# Altium PCB ebox-SPARK-丝印图.PcbDoc (part 2 of 2)
Units mm, origin at the board's own origin, x right, y up, seen from the top; angles counter-clockwise.
Board outline 50.25 x 80.28 mm, 2 copper layers (Top Layer, Bottom Layer); 69 components, 68 nets, 309 pads, 73 vias.
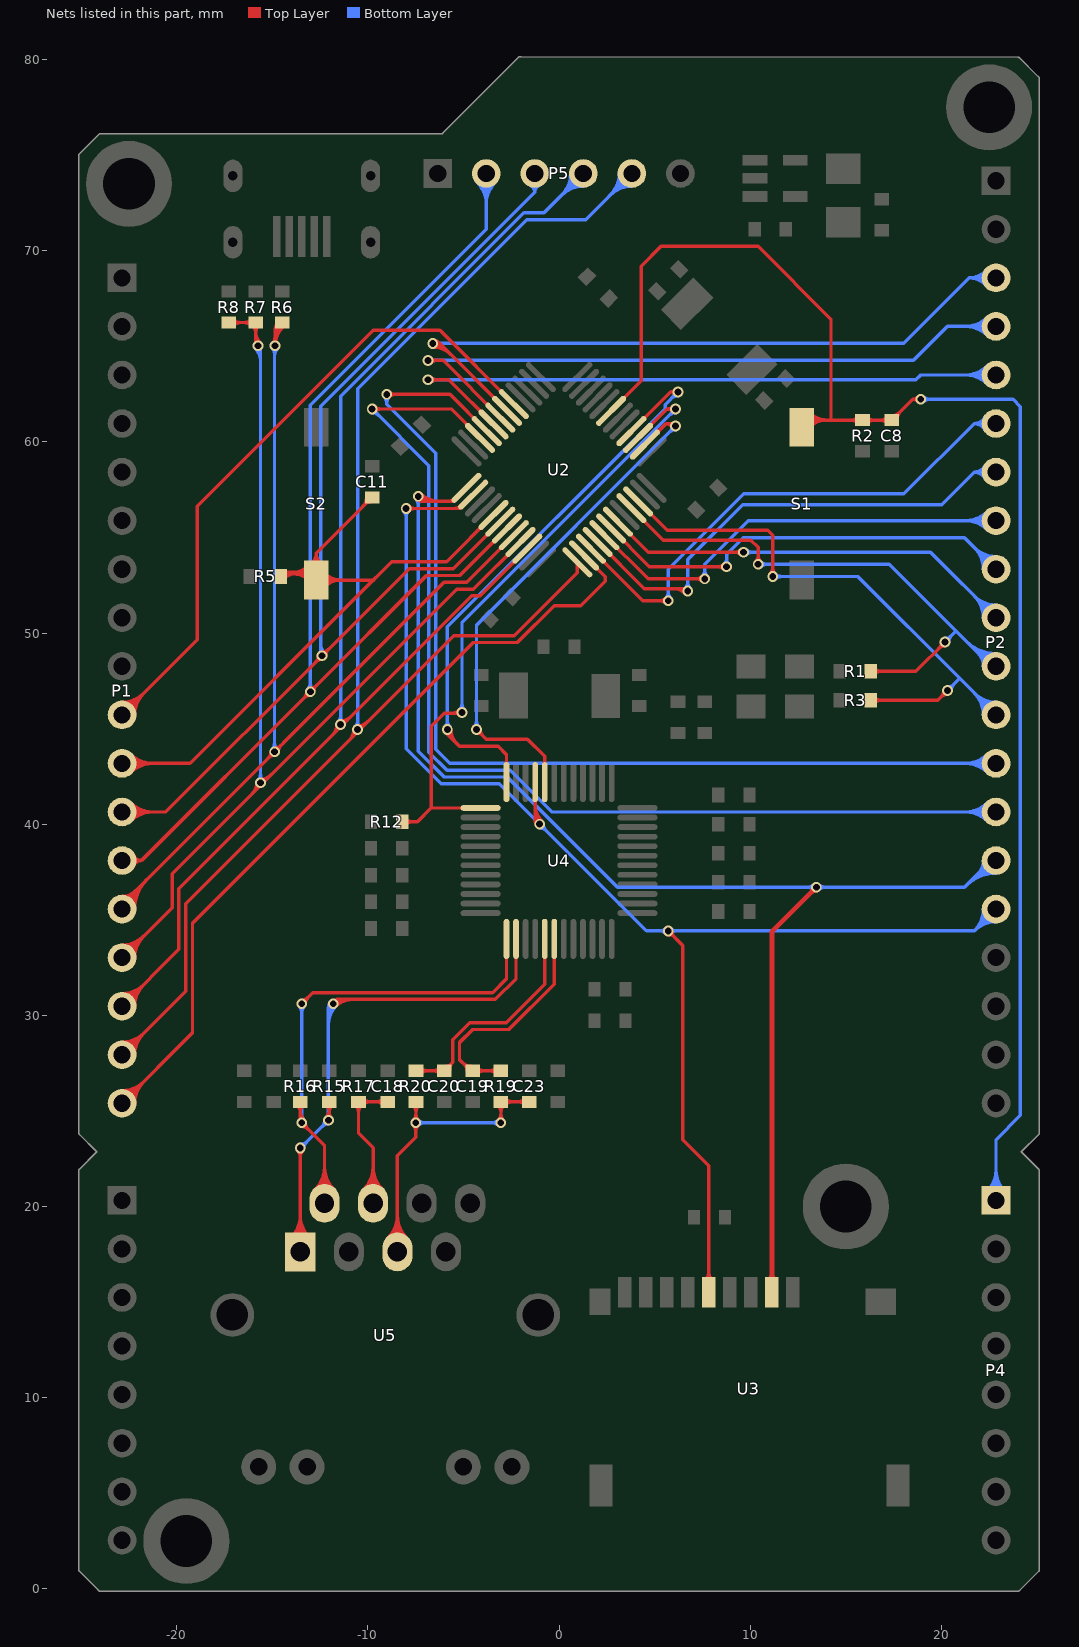
[diagram p2: the nets of this part, all layers, seen from the top]

## Via types
v1: diameter 0.559, hole 0.356, Top Layer to Bottom Layer, tented both sides, 70 vias
v2: diameter 1, hole 1, Top Layer to Bottom Layer, tented both sides, 2 vias
v3: diameter 1.27, hole 0.711, Top Layer to Bottom Layer, tented both sides, 1 vias

## Nets (pads, with @x,y where several pads share a name; then routed paths per layer and width w, separated by ;. In a path a pad name is that pad's centre, name@x,y a point inside that pad or via, vN(x,y) a via of type N, cw(c..) or ccw(c..) an arc to the next point about the centre after c; other vN are vias at no path point) (continued)
PA7: P1.10 U2.17 | length 38.9
  Top Layer w0.178: P1.10@-22.86,45.72 -18.923,49.657 -18.923,56.642 -9.728,65.837 -6.229,65.837 U2.17@-2.369,61.976 ; P1.10@-22.86,46.203 ccw(c-22.86,47.37) -22.035,46.545 ccw(c-21.21,45.72) P1.10@-22.377,45.72 ; P1.10@-22.86,46.381 ccw(c-22.86,47.977) -21.731,46.849 ccw(c-20.603,45.72) P1.10@-22.199,45.72
PA8: C11.2 P1.11 R5.2 S2.1 U2.29 | length 48.7
  Top Layer w0.178: P1.11@-22.86,43.18 -19.304,43.18 -10.36,52.124 -8.763,53.721 -5.887,53.721 U2.29@-3.429,56.178 ; P1.11@-22.518,42.838 cw(c-21.693,42.013) -21.693,43.18 cw(c-21.693,44.347) P1.11@-22.518,43.522 ; P1.11@-22.393,42.713 cw(c-21.264,41.584) -21.264,43.18 cw(c-21.264,44.776) P1.11@-22.393,43.647 ; S2.1@-13.006,53.602 ccw(c-13.395,54.178) -12.7,54.178 ; S2.1@-12.906,53.455 ccw(c-13.169,53.843) -12.7,53.843 ccw(c-12.231,53.843) S2.1@-12.494,53.455 ; S2.1@-12.44,52.509 cw(c-11.811,51.88) -11.811,52.769 cw(c-11.811,53.658) S2.1@-12.44,53.029 ; S2.1@-12.394,53.602 cw(c-12.005,54.178) -12.7,54.178 ; S2.1@-12.314,52.383 cw(c-11.382,51.451) -11.382,52.769 cw(c-11.382,54.087) S2.1@-12.314,53.155 ; -10.278,56.601 ccw(c-10.776,57.099) C11.2@-10.071,57.099 ; -10.124,56.754 cw(c-9.843,56.472) C11.2@-9.843,56.871 ; C11.2@-9.779,57.099 -12.7,54.178 ; -9.692,52.769 S2.1@-12.7,52.769 -12.7,54.178
  Top Layer w0.254: R5.2@-14.419,52.888 cw(c-13.818,52.287) -13.818,53.137 ; R5.2@-14.351,53.137 S2.1@-13.068,53.137 ; -13.958,53.137 ccw(c-13.958,54.408) S2.1@-13.059,53.509 ; -13.895,53.137 cw(c-13.895,51.955) S2.1@-13.059,52.791 ; -13.345,53.137 ccw(c-13.345,53.795) S2.1@-12.88,53.33
PA9: P1.12 P5.3 U2.30 | length 63.7
  Top Layer w0.178: P1.12@-22.86,40.64 -20.574,40.64 v1(-12.398,48.816) -7.849,53.365 -5.535,53.365 U2.30@-3.076,55.825 ; P1.12@-22.518,40.298 cw(c-21.693,39.473) -21.693,40.64 cw(c-21.693,41.807) P1.12@-22.518,40.982 ; P1.12@-22.393,40.173 cw(c-21.264,39.044) -21.264,40.64 cw(c-21.264,42.236) P1.12@-22.393,41.107 ; v1@-12.588,48.816 cw(c-13.048,48.816) -12.723,48.491 cw(c-12.398,48.166) v1@-12.398,48.626 ; v1@-12.398,49.007 ccw(c-12.398,49.467) -12.072,49.142 ccw(c-11.747,48.816) v1@-12.207,48.816
  Bottom Layer w0.178: v1@-12.532,48.951 ccw(c-12.697,49.116) -12.464,49.116 ; -12.464,49.437 ccw(c-11.777,49.437) v1@-12.263,48.951 ; v1(-12.398,48.816) -12.464,48.883 -12.464,61.859 -1.27,73.053 ; P5.3@-1.522,73.43 cw(c-1.678,73.053) -1.27,73.053 ; P5.3@-1.27,74.041 -1.27,73.053 ; P5.3@-1.27,74.422 P5.3@-1.079,74.612 ; P5.3@-1.018,73.43 ccw(c-0.862,73.053) -1.27,73.053
PA10: P1.13 P5.2 U2.31 | length 65.8
  Top Layer w0.178: P1.13@-22.86,38.1 -21.844,38.1 ; P1.13@-22.256,37.832 cw(c-21.844,37.65) -21.844,38.1 ; P1.13@-22.256,38.368 ccw(c-21.844,38.55) -21.844,38.1 ; v1@-13.201,46.934 cw(c-13.66,46.934) -13.335,46.609 cw(c-13.01,46.284) v1@-13.01,46.743 ; v1@-13.01,47.124 ccw(c-13.01,47.584) -12.685,47.259 ccw(c-12.36,46.934) v1@-12.82,46.934 ; U2.31@-2.722,55.471 -5.184,53.01 -6.934,53.01 v1(-13.01,46.934) -21.844,38.1
  Bottom Layer w0.178: v1@-13.145,47.069 ccw(c-13.47,47.394) -13.01,47.394 ccw(c-12.55,47.394) v1@-12.875,47.069 ; v1(-13.01,46.934) -13.01,61.92 -3.81,71.12 P5.2@-3.81,74.041 ; P5.2@-4.277,73.574 cw(c-5.406,72.445) -3.81,72.445 cw(c-2.214,72.445) P5.2@-3.343,73.574 ; P5.2@-4.152,73.699 cw(c-4.977,72.874) -3.81,72.874 cw(c-2.643,72.874) P5.2@-3.468,73.699
PA11: P1.14 R6.1 U2.32 | length 64.4
  Top Layer w0.178: P1.14@-22.86,35.56 -22.86,35.814 -6.02,52.654 -4.832,52.654 U2.32@-2.369,55.118 ; P1.14@-22.86,36.043 ccw(c-22.86,36.597) -22.469,36.205 ; P1.14@-22.86,36.221 ccw(c-22.86,37.204) -22.165,36.509 ; P1.14@-22.732,35.56 cw(c-21.811,35.56) -22.462,36.212 ; P1.14@-22.555,35.56 cw(c-21.204,35.56) -22.159,36.515 ; P1.14@-22.377,35.56 cw(c-20.597,35.56) -21.855,36.819 ; P1.14@-22.199,35.56 cw(c-19.99,35.56) -21.552,37.122 ; v1@-15.071,43.793 cw(c-15.531,43.793) -15.206,43.468 cw(c-14.881,43.143) v1@-14.881,43.603 ; v1@-14.994,65.159 ccw(c-15.319,65.484) -14.859,65.484 ccw(c-14.399,65.484) v1@-14.724,65.159 ; v1@-14.881,43.984 ccw(c-14.881,44.444) -14.555,44.119 ccw(c-14.23,43.793) v1@-14.69,43.793 ; v1@-14.859,64.983 cw(c-13.361,64.983) R6.1@-14.385,66.076 ; v1(-14.859,65.024) -14.859,65.862 R6.1@-14.478,66.243 ; -14.859,65.394 cw(c-13.746,65.394) R6.1@-14.507,66.206 ; -14.859,65.804 cw(c-14.13,65.804) R6.1@-14.628,66.336 ; -14.827,65.894 ccw(c-15.023,66.09) R6.1@-14.759,66.174 ; -14.823,65.898 cw(c-14.542,65.616) R6.1@-14.542,66.015
  Bottom Layer w0.178: v1@-15.015,43.928 ccw(c-15.331,44.244) -14.884,44.244 ; v1@-14.994,64.889 cw(c-15.258,64.625) -14.884,64.625 ; -14.884,44.263 ccw(c-14.411,44.263) v1@-14.746,43.928 ; -14.884,64.503 cw(c-14.338,64.503) v1@-14.724,64.889 ; v1(-14.881,43.793) -14.884,43.797 -14.884,64.999 v1(-14.859,65.024)
PA12: P1.15 R7.1 R8.1 U2.33 | length 67.5
  Top Layer w0.178: P1.15@-22.86,33.02 -20.244,35.636 -20.244,37.414 -5.359,52.299 -4.481,52.299 U2.33@-2.015,54.764 ; P1.15@-22.86,33.503 ccw(c-22.86,34.67) -22.035,33.845 ccw(c-21.21,33.02) P1.15@-22.377,33.02 ; P1.15@-22.86,33.681 ccw(c-22.86,35.277) -21.731,34.149 ccw(c-20.603,33.02) P1.15@-22.199,33.02 ; R8.1@-17.272,66.243 R7.1@-15.875,66.243 -15.875,65.151 v1(-15.748,65.024) ; R8.1@-17.047,66.082 cw(c-16.657,65.691) -16.657,66.243 cw(c-16.657,66.795) R8.1@-17.047,66.405 ; R7.1@-16.1,66.082 ccw(c-16.49,65.691) -16.49,66.243 ccw(c-16.49,66.795) R7.1@-16.1,66.405 ; -16.036,41.622 ccw(c-16.578,42.164) v1@-15.811,42.164 ; R7.1@-16.037,66.082 cw(c-16.427,65.691) -15.875,65.691 cw(c-15.323,65.691) R7.1@-15.713,66.082 ; -15.875,65.361 ccw(c-15.411,65.361) v1@-15.739,65.033 ; -15.875,65.791 ccw(c-14.981,65.791) v1@-15.613,65.159 ; v1@-15.621,42.355 ccw(c-15.621,43.121) -15.079,42.579
  Bottom Layer w0.178: v1@-15.883,64.889 cw(c-16.515,64.257) -15.621,64.257 ; v1@-15.757,65.015 cw(c-16.085,64.687) -15.621,64.687 ; v1@-15.756,42.299 ccw(c-16.081,42.624) -15.621,42.624 ccw(c-15.161,42.624) v1@-15.486,42.299 ; v1(-15.748,65.024) -15.621,64.897 v1(-15.621,42.164)
PA13: P1.16 P5.4 U2.34 | length 78.3
  Top Layer w0.178: P1.16@-22.86,30.48 -19.888,33.452 -19.888,36.627 -4.572,51.943 -4.129,51.943 U2.34@-1.662,54.41 ; P1.16@-22.86,30.963 ccw(c-22.86,32.13) -22.035,31.305 ccw(c-21.21,30.48) P1.16@-22.377,30.48 ; P1.16@-22.86,31.141 ccw(c-22.86,32.737) -21.731,31.609 ccw(c-20.603,30.48) P1.16@-22.199,30.48 ; -11.845,44.67 ccw(c-12.387,45.212) v1@-11.62,45.212 ; v1@-11.43,45.402 ccw(c-11.43,46.169) -10.888,45.627
  Bottom Layer w0.178: v1@-11.565,45.347 ccw(c-11.89,45.672) -11.43,45.672 ccw(c-10.97,45.672) v1@-11.295,45.347 ; v1(-11.43,45.212) -11.43,62.39 -1.836,71.984 -0.787,71.984 P5.4@1.27,74.041 ; P5.4@0.609,74.041 cw(c-0.987,74.041) 0.141,72.912 cw(c1.27,71.784) P5.4@1.27,73.38 ; P5.4@0.787,74.041 cw(c-0.38,74.041) 0.445,73.216 cw(c1.27,72.391) P5.4@1.27,73.558
PA14: P1.17 P5.5 U2.37 | length 84.9
  Top Layer w0.178: P1.17@-22.86,27.94 -19.533,31.267 -19.533,35.839 -5.512,49.86 -2.337,49.86 0.955,53.152 U2.37@0.955,53.703 ; P1.17@-22.86,28.423 ccw(c-22.86,29.59) -22.035,28.765 ccw(c-21.21,27.94) P1.17@-22.377,27.94 ; P1.17@-22.86,28.601 ccw(c-22.86,30.197) -21.731,29.069 ccw(c-20.603,27.94) P1.17@-22.199,27.94 ; -10.956,44.416 ccw(c-11.498,44.958) v1@-10.731,44.958 ; v1@-10.541,45.148 ccw(c-10.541,45.915) -9.999,45.373
  Bottom Layer w0.178: v1@-10.676,45.093 ccw(c-11.001,45.418) -10.541,45.418 ccw(c-10.081,45.418) v1@-10.406,45.093 ; v1(-10.541,44.958) -10.541,62.776 -1.689,71.628 1.397,71.628 P5.5@3.81,74.041 ; P5.5@3.149,74.041 cw(c1.553,74.041) 2.681,72.912 cw(c3.81,71.784) P5.5@3.81,73.38 ; P5.5@3.327,74.041 cw(c2.16,74.041) 2.985,73.216 cw(c3.81,72.391) P5.5@3.81,73.558
PA15: P1.18 U2.38 | length 46.1
  Top Layer w0.178: P1.18@-22.86,25.4 -19.177,29.083 -19.177,34.808 -4.481,49.505 -2.184,49.505 -0.254,51.435 1.143,51.435 2.413,52.705 2.413,52.952 U2.38@1.308,54.057 ; P1.18@-22.86,25.883 ccw(c-22.86,27.05) -22.035,26.225 ccw(c-21.21,25.4) P1.18@-22.377,25.4 ; P1.18@-22.86,26.061 ccw(c-22.86,27.657) -21.731,26.529 ccw(c-20.603,25.4) P1.18@-22.199,25.4
PB0: P2.3 U2.18 | length 42.5
  Top Layer w0.178: v1@-6.604,64.96 cw(c-6.604,63.647) -5.675,64.576 ; v1@-6.604,65.138 cw(c-6.604,64.254) -5.979,64.879 ; v1(-6.604,65.151) -6.25,65.151 U2.18@-2.722,61.623 ; v1@-6.604,65.316 cw(c-6.604,64.861) -6.282,65.183
  Bottom Layer w0.178: v1(-6.604,65.151) 18.034,65.151 21.463,68.58 ; v1@-6.469,65.016 cw(c-6.144,64.691) -6.144,65.151 cw(c-6.144,65.611) v1@-6.469,65.286 ; P2.3@22.349,68.161 ccw(c21.463,67.435) 21.463,68.58 ; P2.3@22.349,68.999 cw(c21.463,69.725) 21.463,68.58 ; P2.3@22.486,68.274 ccw(c21.839,67.743) 21.839,68.58 ccw(c21.839,69.417) P2.3@22.486,68.886 ; P2.3@22.86,68.58 21.463,68.58
PB1: P2.4 U2.19 | length 41.3
  Top Layer w0.178: v1(-6.858,64.262) -6.069,64.262 U2.19@-3.076,61.269 ; v1@-6.723,64.127 cw(c-6.398,63.802) -6.398,64.262 cw(c-6.398,64.722) v1@-6.723,64.397
  Bottom Layer w0.178: v1(-6.858,64.262) 18.542,64.262 20.32,66.04 P2.4@22.86,66.04 ; v1@-6.723,64.127 cw(c-6.398,63.802) -6.398,64.262 cw(c-6.398,64.722) v1@-6.723,64.397 ; P2.4@22.393,65.573 ccw(c21.264,64.444) 21.264,66.04 ccw(c21.264,67.636) P2.4@22.393,66.507 ; P2.4@22.518,65.698 ccw(c21.693,64.873) 21.693,66.04 ccw(c21.693,67.207) P2.4@22.518,66.382
PB2: P2.5 U2.20 | length 40
  Top Layer w0.178: v1(-6.858,63.246) -5.76,63.246 U2.20@-3.429,60.916 ; v1@-6.723,63.111 cw(c-6.398,62.786) -6.398,63.246 cw(c-6.398,63.706) v1@-6.723,63.381
  Bottom Layer w0.178: v1(-6.858,63.246) 18.669,63.246 18.923,63.5 P2.5@22.86,63.5 ; v1@-6.723,63.111 cw(c-6.398,62.786) -6.398,63.246 cw(c-6.398,63.706) v1@-6.723,63.381 ; P2.5@22.393,63.033 ccw(c21.264,61.904) 21.264,63.5 ccw(c21.264,65.096) P2.5@22.393,63.967 ; P2.5@22.518,63.158 ccw(c21.693,62.333) 21.693,63.5 ccw(c21.693,64.667) P2.5@22.518,63.842
PB3: P2.6 U2.39 | length 31
  Top Layer w0.178: U2.39@1.662,54.41 4.383,51.689 v1(5.715,51.689) ; v1@5.58,51.554 ccw(c5.255,51.229) 5.255,51.689 ccw(c5.255,52.149) v1@5.58,51.824
  Bottom Layer w0.178: v1@5.58,51.824 ccw(c5.255,52.149) 5.715,52.149 ccw(c6.175,52.149) v1@5.85,51.824 ; v1(5.715,51.689) 5.715,53.34 9.652,57.277 18.034,57.277 21.717,60.96 ; P2.6@22.287,60.63 ccw(c21.717,60.303) 21.717,60.96 ; P2.6@22.287,61.29 cw(c21.717,61.617) 21.717,60.96 ; P2.6@22.441,60.719 ccw(c22.024,60.479) 22.024,60.96 ccw(c22.024,61.441) P2.6@22.441,61.201 ; P2.6@22.86,60.96 21.717,60.96
PB4: P2.7 U2.40 | length 29.6
  Top Layer w0.178: U2.40@2.015,54.764 4.455,52.324 6.604,52.324 v1(6.731,52.197) ; 5.964,52.324 cw(c5.964,51.43) v1@6.596,52.062 ; 6.394,52.324 cw(c6.394,51.86) v1@6.722,52.188
  Bottom Layer w0.178: v1@6.596,52.332 ccw(c6.271,52.657) 6.731,52.657 ccw(c7.191,52.657) v1@6.866,52.332 ; v1(6.731,52.197) 6.731,53.848 9.6,56.717 20.014,56.717 21.717,58.42 ; P2.7@22.287,58.09 ccw(c21.717,57.763) 21.717,58.42 ; P2.7@22.287,58.75 cw(c21.717,59.077) 21.717,58.42 ; P2.7@22.441,58.179 ccw(c22.024,57.939) 22.024,58.42 ccw(c22.024,58.901) P2.7@22.441,58.661 ; P2.7@22.86,58.42 21.717,58.42
PB5: P2.8 U2.41 | length 28.9
  Top Layer w0.178: U2.41@2.369,55.118 4.654,52.832 v1(7.62,52.832) ; v1@7.485,52.697 ccw(c7.16,52.372) 7.16,52.832 ccw(c7.16,53.292) v1@7.485,52.967
  Bottom Layer w0.178: v1@7.485,52.967 ccw(c7.16,53.292) 7.62,53.292 ccw(c8.08,53.292) v1@7.755,52.967 ; v1(7.62,52.832) 7.62,53.594 9.906,55.88 P2.8@22.86,55.88 ; P2.8@22.393,55.413 ccw(c21.264,54.284) 21.264,55.88 ccw(c21.264,57.476) P2.8@22.393,56.347 ; P2.8@22.518,55.538 ccw(c21.693,54.713) 21.693,55.88 ccw(c21.693,57.047) P2.8@22.518,56.222
PB6: P2.9 U2.42 | length 28.4
  Top Layer w0.178: U2.42@2.722,55.471 4.726,53.467 v1(8.763,53.467) ; v1@8.628,53.332 ccw(c8.303,53.007) 8.303,53.467 ccw(c8.303,53.927) v1@8.628,53.602
  Bottom Layer w0.178: v1@8.628,53.602 ccw(c8.303,53.927) 8.763,53.927 ccw(c9.223,53.927) v1@8.898,53.602 ; v1(8.763,53.467) 8.763,54.112 9.642,54.991 21.209,54.991 P2.9@22.86,53.34 ; P2.9@22.199,53.34 ccw(c20.603,53.34) 21.731,54.469 ccw(c22.86,55.597) P2.9@22.86,54.001 ; P2.9@22.377,53.34 ccw(c21.21,53.34) 22.035,54.165 ccw(c22.86,54.99) P2.9@22.86,53.823
PB7: P2.10 U2.43 | length 27.7
  Top Layer w0.178: U2.43@3.076,55.825 4.672,54.229 v1(9.652,54.229) ; v1@9.517,54.094 ccw(c9.192,53.769) 9.192,54.229 ccw(c9.192,54.689) v1@9.517,54.364
  Bottom Layer w0.178: v1(9.652,54.229) 19.431,54.229 P2.10@22.86,50.8 ; v1@9.787,54.094 cw(c10.112,53.769) 10.112,54.229 cw(c10.112,54.689) v1@9.787,54.364 ; P2.10@22.199,50.8 ccw(c20.603,50.8) 21.731,51.929 ccw(c22.86,53.057) P2.10@22.86,51.461 ; P2.10@22.377,50.8 ccw(c21.21,50.8) 22.035,51.625 ccw(c22.86,52.45) P2.10@22.86,51.283
PB8: P2.11 R1.1 U2.45 | length 38.2
  Top Layer w0.178: U2.45@3.783,56.532 5.451,54.864 10.033,54.864 10.414,54.483 v1(10.414,53.594) ; v1@10.279,53.729 ccw(c9.954,54.054) 10.414,54.054 ccw(c10.874,54.054) v1@10.549,53.729 ; R1.1@16.307,48.006 18.669,48.006 v1(20.193,49.53) ; R1.1@16.468,47.844 cw(c16.859,47.454) 16.859,48.006 cw(c16.859,48.558) R1.1@16.468,48.168 ; v1@20.002,49.53 cw(c19.543,49.53) 19.868,49.205 cw(c20.193,48.88) v1@20.193,49.34
  Bottom Layer w0.178: v1(10.414,53.594) 17.272,53.594 22.606,48.26 P2.11@22.86,48.26 ; v1@10.549,53.459 cw(c10.874,53.134) 10.874,53.594 cw(c10.874,54.054) v1@10.549,53.729 ; v1(20.193,49.53) 20.735,50.072 ; v1@20.193,49.721 ccw(c20.193,50.18) 20.518,49.855 ccw(c20.843,49.53) v1@20.383,49.53 ; 21.298,49.568 ccw(c22.86,51.13) P2.11@22.86,48.921 ; 21.601,49.265 ccw(c22.86,50.523) P2.11@22.86,48.743 ; 21.905,48.961 ccw(c22.86,49.916) P2.11@22.86,48.565 ; 21.911,48.955 cw(c21.216,48.26) P2.11@22.199,48.26 ; 22.208,48.658 ccw(c22.86,49.309) P2.11@22.86,48.388 ; 22.215,48.651 cw(c21.823,48.26) P2.11@22.377,48.26
PB9: P2.12 R3.1 U2.46 | length 38
  Top Layer w0.178: U2.46@4.137,56.885 5.65,55.372 10.922,55.372 11.176,55.118 v1(11.176,52.959) ; v1@11.041,53.094 ccw(c10.716,53.419) 11.176,53.419 ccw(c11.636,53.419) v1@11.311,53.094 ; R3.1@16.307,46.482 19.812,46.482 v1(20.32,46.99) v1@20.193,46.99 ; R3.1@16.468,46.32 cw(c16.859,45.93) 16.859,46.482 cw(c16.859,47.034) R3.1@16.468,46.644 ; v1@20.13,46.99 cw(c19.67,46.99) 19.995,46.665 cw(c20.32,46.34) v1@20.32,46.799
  Bottom Layer w0.178: v1(11.176,52.959) 15.621,52.959 20.955,47.625 ; v1@11.311,52.824 cw(c11.636,52.499) 11.636,52.959 cw(c11.636,53.419) v1@11.311,53.094 ; v1(20.32,46.99) 20.955,47.625 ; v1@20.32,47.18 ccw(c20.32,47.64) 20.645,47.315 ccw(c20.97,46.99) v1@20.51,46.99 ; P2.12@22.199,45.72 ccw(c20.603,45.72) 21.731,46.849 ccw(c22.86,47.977) P2.12@22.86,46.381 ; P2.12@22.377,45.72 ccw(c21.21,45.72) 22.035,46.545 ccw(c22.86,47.37) P2.12@22.86,46.203 ; P2.12@22.86,45.72 20.955,47.625
PB10: P2.13 U2.21 | length 61.1
  Top Layer w0.178: v1(-9.017,62.484) -5.705,62.484 U2.21@-3.783,60.562 ; v1@-8.882,62.349 cw(c-8.557,62.024) -8.557,62.484 cw(c-8.557,62.944) v1@-8.882,62.619
  Bottom Layer w0.178: v1@-9.152,62.349 cw(c-9.477,62.024) -9.017,62.024 cw(c-8.557,62.024) v1@-8.882,62.349 ; v1(-9.017,62.484) -9.017,61.976 -6.452,59.411 -6.452,43.917 -5.715,43.18 19.558,43.18 P2.13@22.86,43.18 ; P2.13@22.393,42.713 ccw(c21.264,41.584) 21.264,43.18 ccw(c21.264,44.776) P2.13@22.393,43.647 ; P2.13@22.518,42.838 ccw(c21.693,42.013) 21.693,43.18 ccw(c21.693,44.347) P2.13@22.518,43.522
PB11: P2.14 U2.22 | length 62.2
  Top Layer w0.178: v1(-9.779,61.722) -5.65,61.722 U2.22@-4.137,60.209 ; v1@-9.644,61.587 cw(c-9.319,61.262) -9.319,61.722 cw(c-9.319,62.182) v1@-9.644,61.857
  Bottom Layer w0.178: v1@-9.779,61.531 cw(c-9.779,61.072) -9.454,61.397 cw(c-9.129,61.722) v1@-9.589,61.722 ; v1(-9.779,61.722) -6.807,58.75 -6.807,43.769 -5.862,42.824 -2.56,42.824 -0.376,40.64 P2.14@22.86,40.64 ; P2.14@22.393,40.173 ccw(c21.264,39.044) 21.264,40.64 ccw(c21.264,42.236) P2.14@22.393,41.107 ; P2.14@22.518,40.298 ccw(c21.693,39.473) 21.693,40.64 ccw(c21.693,41.807) P2.14@22.518,40.982
PB12: P2.15 U2.25 U3.2 | length 84.3
  Top Layer w0.178: v1@-7.483,57.033 ccw(c-7.151,57.365) -7.151,56.896 ; v1(-7.366,57.15) -7.112,56.896 -5.54,56.896 U2.25@-4.844,57.592 ; v1@-7.357,57.159 ccw(c-6.722,57.794) -6.722,56.896 ; v1@-7.231,57.285 ccw(c-6.293,58.223) -6.293,56.896 ; -5.772,56.896 ccw(c-5.772,57.248) U2.25@-5.523,56.999
  Top Layer w0.254: U3.2@10.975,16.122 ccw(c10.594,16.503) 11.133,16.503 ccw(c11.671,16.503) U3.2@11.29,16.122 ; U3.2@11.133,15.515 11.133,34.374 v1(13.462,36.703) ; v1@13.31,36.703 cw(c12.942,36.703) 13.202,36.443 cw(c13.462,36.183) v1@13.462,36.551
  Bottom Layer w0.178: v1@-7.501,57.015 cw(c-7.826,56.69) -7.366,56.69 cw(c-6.906,56.69) v1@-7.231,57.015 ; v1(-7.366,57.15) -7.366,43.825 -6.01,42.469 -2.708,42.469 3.058,36.703 v1(13.462,36.703) 21.209,36.703 22.606,38.1 P2.15@22.86,38.1 ; v1@13.327,36.568 ccw(c13.002,36.243) 13.002,36.703 ccw(c13.002,37.163) v1@13.327,36.838 ; v1@13.597,36.568 cw(c13.922,36.243) 13.922,36.703 cw(c13.922,37.163) v1@13.597,36.838 ; 21.298,36.792 cw(c22.86,35.23) P2.15@22.86,37.439 ; 21.601,37.095 cw(c22.86,35.837) P2.15@22.86,37.617 ; 21.905,37.399 cw(c22.86,36.444) P2.15@22.86,37.795 ; 21.911,37.405 ccw(c21.216,38.1) P2.15@22.199,38.1 ; 22.208,37.702 cw(c22.86,37.051) P2.15@22.86,37.972 ; 22.215,37.709 ccw(c21.823,38.1) P2.15@22.377,38.1
PB13: P2.16 U2.26 U3.5 U4.33 | length 86.4
  Top Layer w0.178: v1(-8.001,56.515) -5.214,56.515 U2.26@-4.49,57.239 ; v1@-7.866,56.38 cw(c-7.541,56.055) -7.541,56.515 cw(c-7.541,56.975) v1@-7.866,56.65 ; -5.485,56.515 ccw(c-5.485,56.961) U2.26@-5.17,56.646 ; -1.25,40.171 ccw(c-0.85,40.171) v1@-1.133,39.888 ; -1.25,40.601 ccw(c-0.42,40.601) v1@-1.007,40.014 ; -1.25,41.03 ccw(c0.009,41.03) v1@-0.881,40.14 ; U4.33@-1.25,42.2 -1.25,40.239 v1(-1.016,40.005) ; v1@5.715,34.227 cw(c5.715,33.767) 6.04,34.092 cw(c6.365,34.417) v1@5.905,34.417 ; v1(5.715,34.417) 6.477,33.655 6.477,23.495 7.833,22.139 U3.5@7.833,15.515 ; U3.5@7.648,16.149 ccw(c7.202,16.595) 7.833,16.595 ccw(c8.463,16.595) U3.5@8.017,16.149
  Bottom Layer w0.178: v1@-8.136,56.38 cw(c-8.461,56.055) -8.001,56.055 cw(c-7.541,56.055) v1@-7.866,56.38 ; v1(-8.001,56.515) -8.001,43.957 -6.157,42.113 -3.124,42.113 v1(-1.016,40.005) 4.572,34.417 21.717,34.417 P2.16@22.86,35.56 ; v1@-1.206,40.005 ccw(c-1.666,40.005) -1.341,40.33 ccw(c-1.016,40.655) v1@-1.016,40.195 ; v1@-1.016,39.814 cw(c-1.016,39.355) -0.691,39.68 cw(c-0.366,40.005) v1@-0.826,40.005 ; v1@5.58,34.282 ccw(c5.255,33.957) 5.255,34.417 ccw(c5.255,34.877) v1@5.58,34.552 ; v1@5.85,34.282 cw(c6.175,33.957) 6.175,34.417 cw(c6.175,34.877) v1@5.85,34.552 ; P2.16@22.199,35.56 cw(c20.603,35.56) 21.731,34.431 cw(c22.86,33.303) P2.16@22.86,34.899 ; P2.16@22.377,35.56 cw(c21.21,35.56) 22.035,34.735 cw(c22.86,33.91) P2.16@22.86,35.077
PC13: U2.2 U4.32 | length 30.5
  Top Layer w0.178: v1@-4.318,44.767 cw(c-4.318,44.308) -3.993,44.633 cw(c-3.668,44.958) v1@-4.128,44.958 ; v1(-4.318,44.958) -3.81,44.45 -1.651,44.45 -0.75,43.549 U4.32@-0.75,42.2 ; U2.2@4.49,59.855 5.595,60.96 ; v1@5.924,60.752 ccw(c5.595,60.596) 5.595,60.96 ; v1(6.096,60.833) 6.096,60.96 5.595,60.96
  Bottom Layer w0.178: v1@-4.453,45.093 ccw(c-4.778,45.418) -4.318,45.418 ccw(c-3.858,45.418) v1@-4.183,45.093 ; v1(-4.318,44.958) -4.318,50.419 v1(6.096,60.833) ; v1@5.905,60.833 cw(c5.446,60.833) 5.771,60.508 cw(c6.096,60.183) v1@6.096,60.642
PC14: R12.1 U2.3 U4.37 | length 37.4
  Top Layer w0.178: R12.1@-8.204,40.132 -7.405,40.132 -6.687,40.85 ; R12.1@-8.043,39.97 cw(c-7.652,39.58) -7.652,40.132 cw(c-7.652,40.684) R12.1@-8.043,40.294 ; -5.643,45.805 ccw(c-5.643,46.41) v1@-5.215,45.982 ; -5.437,45.805 cw(c-5.437,45.49) v1@-5.215,45.712 ; v1(-5.08,45.847) -5.122,45.805 -6.011,45.805 -6.687,45.129 -6.687,40.85 ; U4.37@-4.1,40.85 -6.687,40.85 ; U2.3@4.137,60.209 5.65,61.722 ; v1@5.958,61.59 ccw(c5.65,61.295) 5.65,61.722 ; v1@5.958,61.854 cw(c5.65,62.149) 5.65,61.722 ; v1(6.096,61.722) 5.65,61.722
  Bottom Layer w0.178: v1@-5.215,45.982 ccw(c-5.54,46.307) -5.08,46.307 ccw(c-4.62,46.307) v1@-4.945,45.982 ; v1(-5.08,45.847) -5.08,50.546 v1(6.096,61.722) ; v1@5.905,61.722 cw(c5.446,61.722) 5.771,61.397 cw(c6.096,61.072) v1@6.096,61.531
PC15: U2.4 U4.36 | length 34.5
  Top Layer w0.178: v1(-5.842,44.958) -5.842,44.704 -5.207,44.069 -3.175,44.069 -2.75,43.644 U4.36@-2.75,42.2 ; v1@-5.829,44.958 ccw(c-5.185,44.958) -5.641,44.503 ; v1@-5.652,44.958 ccw(c-4.578,44.958) -5.337,44.199 ; U2.4@3.783,60.562 5.832,62.611 ; v1@6.073,62.494 ccw(c5.832,62.305) 5.832,62.611 ; v1@6.073,62.728 cw(c5.832,62.917) 5.832,62.611 ; v1(6.223,62.611) 5.832,62.611
  Bottom Layer w0.178: v1@-5.977,45.093 ccw(c-6.302,45.418) -5.842,45.418 ccw(c-5.382,45.418) v1@-5.707,45.093 ; v1(-5.842,44.958) -5.842,50.328 5.55,61.72 5.55,61.948 6.213,62.611 v1(6.223,62.611) ; 5.88,62.279 cw(c6.223,61.936) v1@6.223,62.42 ; 5.905,62.303 ccw(c5.597,62.611) v1@6.032,62.611
RCT: C23.1 R19.2 R20.2 U5.5 | length 28.3
  Top Layer w0.178: U5.5@-8.953,18.35 ccw(c-10.145,19.543) -8.459,19.543 ccw(c-6.772,19.543) U5.5@-7.965,18.35 ; U5.5@-8.827,18.224 ccw(c-9.716,19.113) -8.459,19.113 ccw(c-7.202,19.113) U5.5@-8.09,18.224 ; U5.5@-8.701,18.099 ccw(c-9.286,18.684) -8.459,18.684 ccw(c-7.631,18.684) U5.5@-8.216,18.099 ; U5.5@-8.459,17.628 -8.459,22.656 -7.493,23.622 v1(-7.493,24.384) -7.485,24.392 R20.2@-7.485,25.476 ; R20.2@-7.646,25.315 cw(c-8.036,24.924) -7.485,24.924 cw(c-6.933,24.924) R20.2@-7.323,25.315 ; v1@-7.628,24.249 cw(c-7.953,23.924) -7.493,23.924 cw(c-7.033,23.924) v1@-7.358,24.249 ; v1@-7.628,24.519 ccw(c-7.973,24.864) -7.485,24.864 ; -7.485,24.823 ccw(c-7.054,24.823) v1@-7.358,24.519 ; R19.2@-3.201,25.315 cw(c-3.591,24.924) -3.04,24.924 cw(c-2.488,24.924) R19.2@-2.878,25.315 ; v1@-3.183,24.519 ccw(c-3.528,24.864) -3.04,24.864 ; v1(-3.048,24.384) -3.04,24.392 R19.2@-3.04,25.476 C23.1@-1.558,25.476 ; -3.04,24.823 ccw(c-2.609,24.823) v1@-2.913,24.519 ; R19.2@-2.814,25.315 cw(c-2.424,24.924) -2.424,25.476 cw(c-2.424,26.028) R19.2@-2.814,25.638 ; C23.1@-1.783,25.315 ccw(c-2.173,24.924) -2.173,25.476 ccw(c-2.173,26.028) C23.1@-1.783,25.638
  Bottom Layer w0.178: v1(-7.493,24.384) v1(-3.048,24.384) ; v1@-7.358,24.249 cw(c-7.033,23.924) -7.033,24.384 cw(c-7.033,24.844) v1@-7.358,24.519 ; v1@-3.183,24.249 ccw(c-3.508,23.924) -3.508,24.384 ccw(c-3.508,24.844) v1@-3.183,24.519
RST: C8.1 P4.1 R2.2 S1.2 U2.7 | length 92.3
  Top Layer w0.178: U2.7@2.722,61.623 4.293,63.193 4.293,69.19 5.334,70.231 8.001,70.231 10.414,70.231 14.224,66.421 14.224,61.138 ; S1.2@12.7,60.769 13.069,61.138 14.224,61.138 ; S1.2@12.96,60.89 cw(c13.56,60.29) 13.56,61.138 ; S1.2@12.96,61.41 ccw(c13.619,62.069) 13.619,61.138 ; S1.2@13.086,60.764 cw(c13.989,59.861) 13.989,61.138 ; S1.2@13.086,61.536 ccw(c14.048,62.498) 14.048,61.138 ; R2.2@15.65,60.976 ccw(c15.26,60.586) 15.26,61.138 ccw(c15.26,61.69) R2.2@15.65,61.299 ; R2.2@16.1,60.976 cw(c16.49,60.586) 16.49,61.138 cw(c16.49,61.69) R2.2@16.1,61.299 ; C8.1@17.174,60.976 ccw(c16.784,60.586) 16.784,61.138 ccw(c16.784,61.69) C8.1@17.174,61.299 ; C8.1@17.462,61.366 ccw(c17.462,61.765) 17.744,61.483 ; C8.1@17.691,61.138 cw(c18.396,61.138) 17.898,61.636 ; v1@18.782,62.102 ccw(c18.491,61.836) 18.491,62.23 ; v1@18.782,62.358 cw(c18.491,62.624) 18.491,62.23 ; v1(18.923,62.23) 18.491,62.23 ; 14.224,61.138 R2.2@15.875,61.138 C8.1@17.399,61.138 18.491,62.23
  Bottom Layer w0.178: v1(18.923,62.23) 23.749,62.23 24.13,61.849 24.13,24.765 22.86,23.495 P4.1@22.86,20.32 ; v1@19.058,62.095 cw(c19.383,61.77) 19.383,62.23 cw(c19.383,62.69) v1@19.058,62.365 ; P4.1@22.393,20.787 ccw(c21.264,21.916) 22.86,21.916 ccw(c24.456,21.916) P4.1@23.327,20.787 ; P4.1@22.518,20.662 ccw(c21.693,21.487) 22.86,21.487 ccw(c24.027,21.487) P4.1@23.202,20.662
RXN: C20.2 R20.1 U4.5 | length 14.2
  Top Layer w0.178: R20.1@-7.485,27.102 C20.2@-6.003,27.102 -5.563,27.542 ; R20.1@-7.259,26.94 cw(c-6.869,26.55) -6.869,27.102 cw(c-6.869,27.654) R20.1@-7.259,27.263 ; C20.2@-6.228,26.94 ccw(c-6.618,26.55) -6.618,27.102 ccw(c-6.618,27.654) C20.2@-6.228,27.263 ; C20.2@-5.939,27.33 ccw(c-5.939,27.729) -5.658,27.447 ; C20.2@-5.712,27.124 cw(c-5.196,27.176) -5.563,27.542 ; U4.5@-0.75,34 -0.75,31.635 -2.769,29.616 -4.674,29.616 -5.563,28.727 -5.563,27.542
RXP: C19.2 R19.1 U4.6 | length 14.6
  Top Layer w0.178: -5.04,27.519 ccw(c-4.585,27.974) C19.2@-4.585,27.33 ; -4.948,27.427 cw(c-5.273,27.102) C19.2@-4.813,27.102 ; C19.2@-4.521,27.102 R19.1@-3.04,27.102 ; C19.2@-4.318,27.305 -4.826,27.305 -5.207,27.686 -5.207,28.58 -4.526,29.261 -2.621,29.261 -0.25,31.632 U4.6@-0.25,34 ; C19.2@-4.296,26.94 cw(c-3.906,26.55) -3.906,27.102 cw(c-3.906,27.654) C19.2@-4.296,27.263 ; R19.1@-3.265,26.94 ccw(c-3.655,26.55) -3.655,27.102 ccw(c-3.655,27.654) R19.1@-3.265,27.263
TCT: C18.2 R17.1 U5.4 | length 15.9
  Top Layer w0.178: R17.1@-10.652,25.315 cw(c-11.042,24.924) -10.49,24.924 cw(c-9.938,24.924) R17.1@-10.329,25.315 ; R17.1@-10.265,25.315 cw(c-9.875,24.924) -9.875,25.476 cw(c-9.875,26.028) R17.1@-10.265,25.638 ; U5.4@-10.223,20.89 ccw(c-11.415,22.083) -9.729,22.083 ccw(c-8.042,22.083) U5.4@-9.235,20.89 ; U5.4@-10.097,20.764 ccw(c-10.986,21.653) -9.729,21.653 ccw(c-8.472,21.653) U5.4@-9.36,20.764 ; U5.4@-9.971,20.639 ccw(c-10.556,21.224) -9.729,21.224 ccw(c-8.901,21.224) U5.4@-9.486,20.639 ; U5.4@-9.729,20.168 -9.729,23.064 -10.49,23.825 R17.1@-10.49,25.476 C18.2@-8.966,25.476 ; C18.2@-9.191,25.315 ccw(c-9.582,24.924) -9.582,25.476 ccw(c-9.582,26.028) C18.2@-9.191,25.638
  Bottom Layer w0.178: U5.4@-9.906,20.345 U5.4@-9.729,20.168
TXN: R16.1 U4.1 U5.2 | length 35.7
  Top Layer w0.178: R16.1@-13.7,25.315 cw(c-14.09,24.924) -13.538,24.924 cw(c-12.986,24.924) R16.1@-13.377,25.315 ; v1@-13.597,24.514 ccw(c-13.738,24.655) -13.538,24.655 ; v1@-13.538,24.455 R16.1@-13.538,25.476 ; -13.538,25.023 ccw(c-12.818,25.023) v1@-13.327,24.514 ; v1@-13.462,24.188 cw(c-13.462,23.728) -13.137,24.054 cw(c-12.812,24.379) v1@-13.272,24.379 ; v1(-13.462,24.379) -12.269,23.185 U5.2@-12.269,20.168 ; v1(-13.462,30.607) -12.878,31.191 -3.48,31.191 -2.75,31.921 U4.1@-2.75,34 ; v1@-13.462,30.797 ccw(c-13.462,31.257) -13.137,30.932 ccw(c-12.812,30.607) v1@-13.272,30.607 ; U5.2@-12.763,20.89 ccw(c-13.955,22.083) -12.269,22.083 ccw(c-10.582,22.083) U5.2@-11.775,20.89 ; U5.2@-12.637,20.764 ccw(c-13.526,21.653) -12.269,21.653 ccw(c-11.012,21.653) U5.2@-11.9,20.764 ; U5.2@-12.511,20.639 ccw(c-13.096,21.224) -12.269,21.224 ccw(c-11.441,21.224) U5.2@-12.026,20.639
  Bottom Layer w0.178: v1@-13.597,24.514 ccw(c-13.922,24.839) -13.462,24.839 ccw(c-13.002,24.839) v1@-13.327,24.514 ; v1@-13.597,30.472 cw(c-13.922,30.147) -13.462,30.147 cw(c-13.002,30.147) v1@-13.327,30.472 ; v1(-13.462,24.379) v1(-13.462,30.607)
TXP: R15.1 U4.2 U5.1 | length 41.1
  Top Layer w0.178: U5.1@-14.033,18.35 ccw(c-15.225,19.543) -13.539,19.543 ccw(c-11.852,19.543) U5.1@-13.045,18.35 ; U5.1@-13.907,18.224 ccw(c-14.796,19.113) -13.539,19.113 ccw(c-12.282,19.113) U5.1@-13.17,18.224 ; U5.1@-13.781,18.099 ccw(c-14.366,18.684) -13.539,18.684 ccw(c-12.711,18.684) U5.1@-13.296,18.099 ; v1@-13.673,22.929 cw(c-13.999,22.604) -13.539,22.604 cw(c-13.079,22.604) v1@-13.404,22.929 ; U5.1@-13.539,17.628 v1(-13.539,23.064) ; v1@-12.2,24.646 ccw(c-12.648,25.094) -12.014,25.094 ; R15.1@-12.176,25.315 cw(c-12.566,24.924) -12.014,24.924 cw(c-11.462,24.924) R15.1@-11.853,25.315 ; v1@-12.014,24.562 R15.1@-12.014,25.476 ; -12.014,24.848 ccw(c-11.728,24.848) v1@-11.93,24.646 ; v1(-11.811,30.607) -11.811,30.658 -11.633,30.836 -3.333,30.836 -2.25,31.918 U4.2@-2.25,34 ; v1@-11.802,30.598 cw(c-11.228,30.024) -11.228,30.836 ; v1@-11.676,30.472 cw(c-10.799,29.595) -10.799,30.836
  Bottom Layer w0.178: v1@-13.589,22.987 v1(-12.065,24.511) -12.065,30.353 v1(-11.811,30.607) ; v1@-13.539,23.254 ccw(c-13.539,23.777) -13.169,23.407 ; v1@-13.348,23.064 cw(c-12.951,23.064) -13.232,23.344 ; v1@-12.256,24.511 cw(c-12.715,24.511) -12.39,24.186 cw(c-12.065,23.861) v1@-12.065,24.32 ; v1@-12.2,24.646 ccw(c-12.525,24.971) -12.065,24.971 ccw(c-11.605,24.971) v1@-11.93,24.646 ; -12.065,29.534 cw(c-10.738,29.534) v1@-11.676,30.472 ; -12.065,29.963 cw(c-11.167,29.963) v1@-11.802,30.598 ; -12.065,30.392 cw(c-11.596,30.392) v1@-11.928,30.724
pads on no net: HOLE1.0 HOLE2.0 HOLE3.0 HOLE4.0 P3.1 P3.2 P3.3 P3.4 P3.5 P3.6 P3.7 P3.8 P4.2 P4.3 P4.4 P4.5 P4.6 P4.7 P4.8 U3.1 U3.8 U3.9 U4.7 U4.12 U4.13 U4.18 U4.24 U4.26 U4.46 U4.47 U5.7 U5.8 U5.14 USB1.4
copper on no net:
  other v2: 5.033,5.015 13.033,5.015

## Polygon pours and split planes (outlines as drawn)
GND on Top Layer "Keep-Out Layer-No Net" (solid, remove dead copper, pour order 1000): 25.146,80.137 25.146,-0.127 -25.146,-0.127 -25.146,80.137
GND on Bottom Layer "Keep-Out Layer-No Net" (solid, remove dead copper, pour order 1001): 25.146,80.137 25.146,-0.127 -25.146,-0.127 -25.146,80.137

## Keep-outs
Keep-Out Layer:
  lines w0.254: -25,23.857 -24.003,22.86 -25,21.863 -25,1 -24,0 24,0 25,1 25,21.844 25,21.863 24.003,22.86 25,23.857 ; -25,23.859 -25,74.984 -23.984,76 -6.028,76 -2.025,80.003 24,80.003 25,79.003 25,23.86

## Silkscreen, mask and mechanical layers (free items; w line width, h text height)
Top Overlay:
  text "D5V" at 18.267,73.098 h1.78
  text "G" at 6.985,71.374 h1.78 r90
  text "IO" at 1.905,71.022 h1.78 r90
  text "GND" at 17.859,70.558 h1.78
  text "TX" at -0.655,70.496 h1.78 r90
  text "RX" at -3.195,70.406 h1.78 r90
  text "~" at 18.034,69.596 h3.05 r180
  text "D5V" at -5.715,69.523 h1.78 r90
  text "CLK" at 4.445,69.469 h1.78 r90
  text "3V3" at -21.269,68.072 h1.78
  text "PB0" at 18.417,68.017 h1.78
  text "~" at 18.034,66.929 h3.05 r180
  text "GND" at -21.269,65.659 h1.78
  text "PB1" at 18.417,65.457 h1.78
  text "~" at -16.891,64.77 h3.05 r180
  text "PA0" at -21.269,63.119 h1.78
  text "PB2" at 18.417,62.917 h1.78
  text "~" at -16.891,61.976 h3.05 r180
  text "PA1" at -21.269,60.554 h1.78
  text "PB3" at 18.413,60.396 h1.78
  text "~" at -16.891,59.563 h3.05 r180
  text "PA2" at -21.269,58.005 h1.78
  text "PB4" at 18.418,57.836 h1.78
  text "~" at -16.891,57.023 h3.05 r180
  text "PA3" at -21.269,55.474 h1.78
  text "PB5" at 18.405,55.316 h1.78
  text "~" at -16.891,54.483 h3.05 r180
  text "PA4" at -21.269,52.908 h1.78
  text "PB6" at 18.413,52.776 h1.78
  text "~" at -16.891,51.943 h3.05 r180
  text "PA5" at -21.269,50.377 h1.78
  text "PB7" at 18.413,50.216 h1.78
  text "RST" at 11.049,50.038 h1.78
  text "KEY" at -14.351,50.017 h1.78
  text "~" at -16.891,49.276 h3.05 r180
  text "PA6" at -21.269,47.828 h1.78
  text "PB8" at 18.412,47.695 h1.78
  text "~" at -16.891,46.736 h3.05 r180
  text "PA7" at -21.269,45.263 h1.78
  text "PB9" at 18.412,45.155 h1.78
  text "LED1" at 9.525,43.815 h1.78
  text "PA8" at -21.269,42.731 h1.78
  text "PB10" at 17.531,42.614 h1.78
  text "LED2" at 9.525,42.545 h1.78
  text "PA9" at -21.269,40.183 h1.78
  text "PB11" at 17.748,40.054 h1.78
  text "PA10" at -21.269,37.634 h1.78
  text "PB12" at 17.539,37.514 h1.78
  text "PA11" at -21.269,35.069 h1.78
  text "PB13" at 17.528,34.994 h1.78
  text "PA12" at -21.269,32.52 h1.78
  text "PB14" at 17.533,32.434 h1.78
  text "PA13" at -21.269,29.989 h1.78
  text "PB15" at 17.52,29.913 h1.78
  text "PA14" at -21.269,27.424 h1.78
  text "D3V3" at 17.441,27.373 h1.78
  text "PA15" at -21.269,24.892 h1.78
  text "GND" at 17.859,24.833 h1.78
  text "A" at 5.08,24.384 h15
  text "NC" at -20.997,19.712 h1.78
  text "RST" at 18.181,19.685 h1.78
  text "NC" at 19.113,17.212 h1.78
  text "NC" at -20.997,17.172 h1.78
  text "NC" at 19.113,14.672 h1.78
  text "NC" at -20.997,14.632 h1.78
  text "NC" at 19.113,12.131 h1.78
  text "NC" at -20.997,12.091 h1.78
  text "eBox-SPARK_1.2" at 3.175,11.43 h1.78
  text "2018/12/25" at 3.048,9.652 h1.78
  text "NC" at 19.113,9.591 h1.78
  text "NC" at -20.997,9.551 h1.78
  text "NC" at 19.113,7.051 h1.78
  text "NC" at -20.997,7.011 h1.78
  text "NC" at 19.113,4.511 h1.78
  text "NC" at 19.113,1.971 h1.78
Bottom Overlay:
  lines w0.203: -24.13,29.21 -13.081,29.21 ; -24.13,34.29 -13.081,34.29 ; -24.13,44.45 -13.081,44.45 ; -24.13,54.61 -13.081,54.61 ; -18.669,44.45 -18.669,62.23 -13.081,62.23 ; -15.494,29.21 -15.494,31.75 -18.669,31.75 -18.669,34.29 -18.669,41.91 -13.081,41.91 ; 10.16,29.21 24.13,29.21 ; 10.16,36.83 24.13,36.83 ; 10.16,39.37 24.13,39.37 ; 10.16,44.45 24.13,44.45 ; 10.16,49.53 19.177,49.53 ; 10.16,54.102 19.177,54.102 19.177,44.45 ; 10.16,57.15 24.13,57.15 ; 10.16,64.77 24.13,64.77 ; 13.97,44.45 13.97,41.91 18.034,41.91 18.034,39.37 ; -24.13,24.13 -13.081,24.13 -13.081,64.77 -24.13,64.77 -24.13,24.13 ; 10.16,24.13 10.16,69.85 24.13,69.85 24.13,24.13 10.16,24.13
  text "TIM3" at 17.653,68.326 h1.78
  text "C3" at 21.506,68.199 h1.78
  text "C4" at 21.506,65.659 h1.78
  text "TIM2" at -13.716,63.119 h1.78
  text "C1" at -19.889,62.992 h1.78
  text "C2" at -19.68,60.452 h1.78
  text "UART2" at -13.736,60.198 h1.78 r90
  text "C3" at -19.668,57.912 h1.78
  text "T" at -16.764,57.785 h1.78
  text "C4" at -19.673,55.372 h1.78
  text "R" at -16.764,55.372 h1.78
  text "TIM4" at 21.463,55.245 h1.78
  text "I2C1" at 12.233,53.721 h1.78 r90
  text "C1" at 21.506,52.832 h1.78
  text "SCL" at 17.653,52.705 h1.78
  text "SPI1" at -14.224,52.324 h1.78
  text "TIM3" at -18.669,51.689 h1.78
  text "C2" at 21.506,50.292 h1.78
  text "SCK" at -14.605,50.165 h1.78
  text "SDA" at 17.653,50.165 h1.78
  text "CAN" at 12.233,48.895 h1.78 r90
  text "C1" at -19.889,47.752 h1.78
  text "R" at 17.653,47.752 h1.78
  text "C3" at 21.506,47.752 h1.78
  text "MISO" at -13.97,47.625 h1.78
  text "C2" at -19.68,45.212 h1.78
  text "MOSI" at -13.97,45.212 h1.78
  text "T" at 17.653,45.212 h1.78
  text "C4" at 21.506,45.212 h1.78
  text "TIM1" at -13.716,42.799 h1.78
  text "C1" at -19.889,42.672 h1.78
  text "I2C2" at 17.653,42.672 h1.78
  text "SCL" at 21.506,42.672 h1.78
  text "T" at 11.976,42.545 h1.78
  text "Keil MDK-ARM" at -1.374,41.402 h2.54 r270
  text "eBox" at 1.42,41.402 h2.54 r270
  text "eBox-SPARK" at 4.341,41.402 h2.54 r270
  text "UART1" at -13.736,41.021 h1.78 r90
  text "C2" at -19.68,40.132 h1.78
  text "SDA" at 21.506,40.132 h1.78
  text "R" at 12.075,40.005 h1.78
  text "UART3" at 17.653,40.005 h1.78
  text "T" at -16.891,39.878 h1.78
  text "C3" at -19.668,37.592 h1.78
  text "R" at -16.891,37.592 h1.78
  text "TFCARD_CS" at 21.463,37.465 h1.78
  text "C4" at -19.673,35.179 h1.78
  text "SCK" at 21.506,35.052 h1.78
  text "SPI2" at 12.233,34.29 h1.78 r90
  text "DM" at -19.321,32.639 h1.78
  text "CAN" at -15.24,32.639 h1.78
  text "R" at -13.716,32.639 h1.78
  text "MISO" at 21.506,32.512 h1.78
  text "DP" at -19.533,29.972 h1.78
  text "T" at -13.716,29.972 h1.78
  text "MOSI" at 21.506,29.972 h1.78
  text "USB" at -16.002,29.845 h1.78
  text "SWD" at -13.736,28.321 h1.78 r90
  text "Copyright 2016 shentq.All right reserved" at -9.375,27.94 h1.78 r270
  text "-----------------------------------------------------------" at -7.874,27.94 h1.78 r270
  text "www.antsmaker.cn" at -6.835,27.94 h2.54 r270
  text "-----------------------------------------------------------" at -5.08,27.94 h1.78 r270
  text "MADE IN CHINA" at -4.168,27.94 h2.54 r270
  text "-----------------------------------------------------------" at -2.286,27.94 h1.78 r270
  text "PLATFORM" at -1.38,27.94 h1.78 r270
  text "-----------------------------------------------------------" at 0.508,27.94 h1.78 r270
  text "SOFTWARE" at 1.41,27.94 h1.78 r270
  text "-----------------------------------------------------------" at 3.302,27.94 h1.78 r270
  text "BOARD MODEL" at 4.335,27.94 h1.78 r270
  text "___________________________________" at 6.754,27.94 h1.78 r270
  text "___________________________________" at -10.01,27.686 h1.78 r270
  text "IO" at -20.09,27.432 h1.78
  text "D3V3" at 21.463,27.432 h1.78
  text "CLK" at -18.538,24.892 h1.78
  text "GND" at 21.463,24.892 h1.78
  text "eBox" at 6.754,24.257 h5.08
Top Solder:
  lines w0.508: -24.638,1.143 -24.638,21.717 -23.495,22.86 -23.622,22.987 -24.638,24.003 -24.638,74.803 -23.749,75.692 -6.096,75.692 -5.842,75.692 -1.905,79.629 20.193,79.629 24.003,79.629 24.638,78.994 24.638,78.74 24.638,24.003 23.495,22.86 23.622,22.733 24.638,21.717 24.638,1.143 24.638,1.016 24.003,0.381 -23.876,0.381 -24.638,1.143
  text "eBox-SPARK" at -1.905,76.454 h3.81